# Altium PCB Zotino.PCBDOC (part 7 of 8)
Units mil, origin at the board's own origin, x right, y up, seen from the top; angles counter-clockwise.
Board outline 6303.18 x 3940.98 mil, 4 copper layers (TopLayer, Internal Plane 2, Signal Layer 1, BottomLayer), stack 61.54 mil thick; 716 components, 353 nets, 2092 pads, 748 vias.
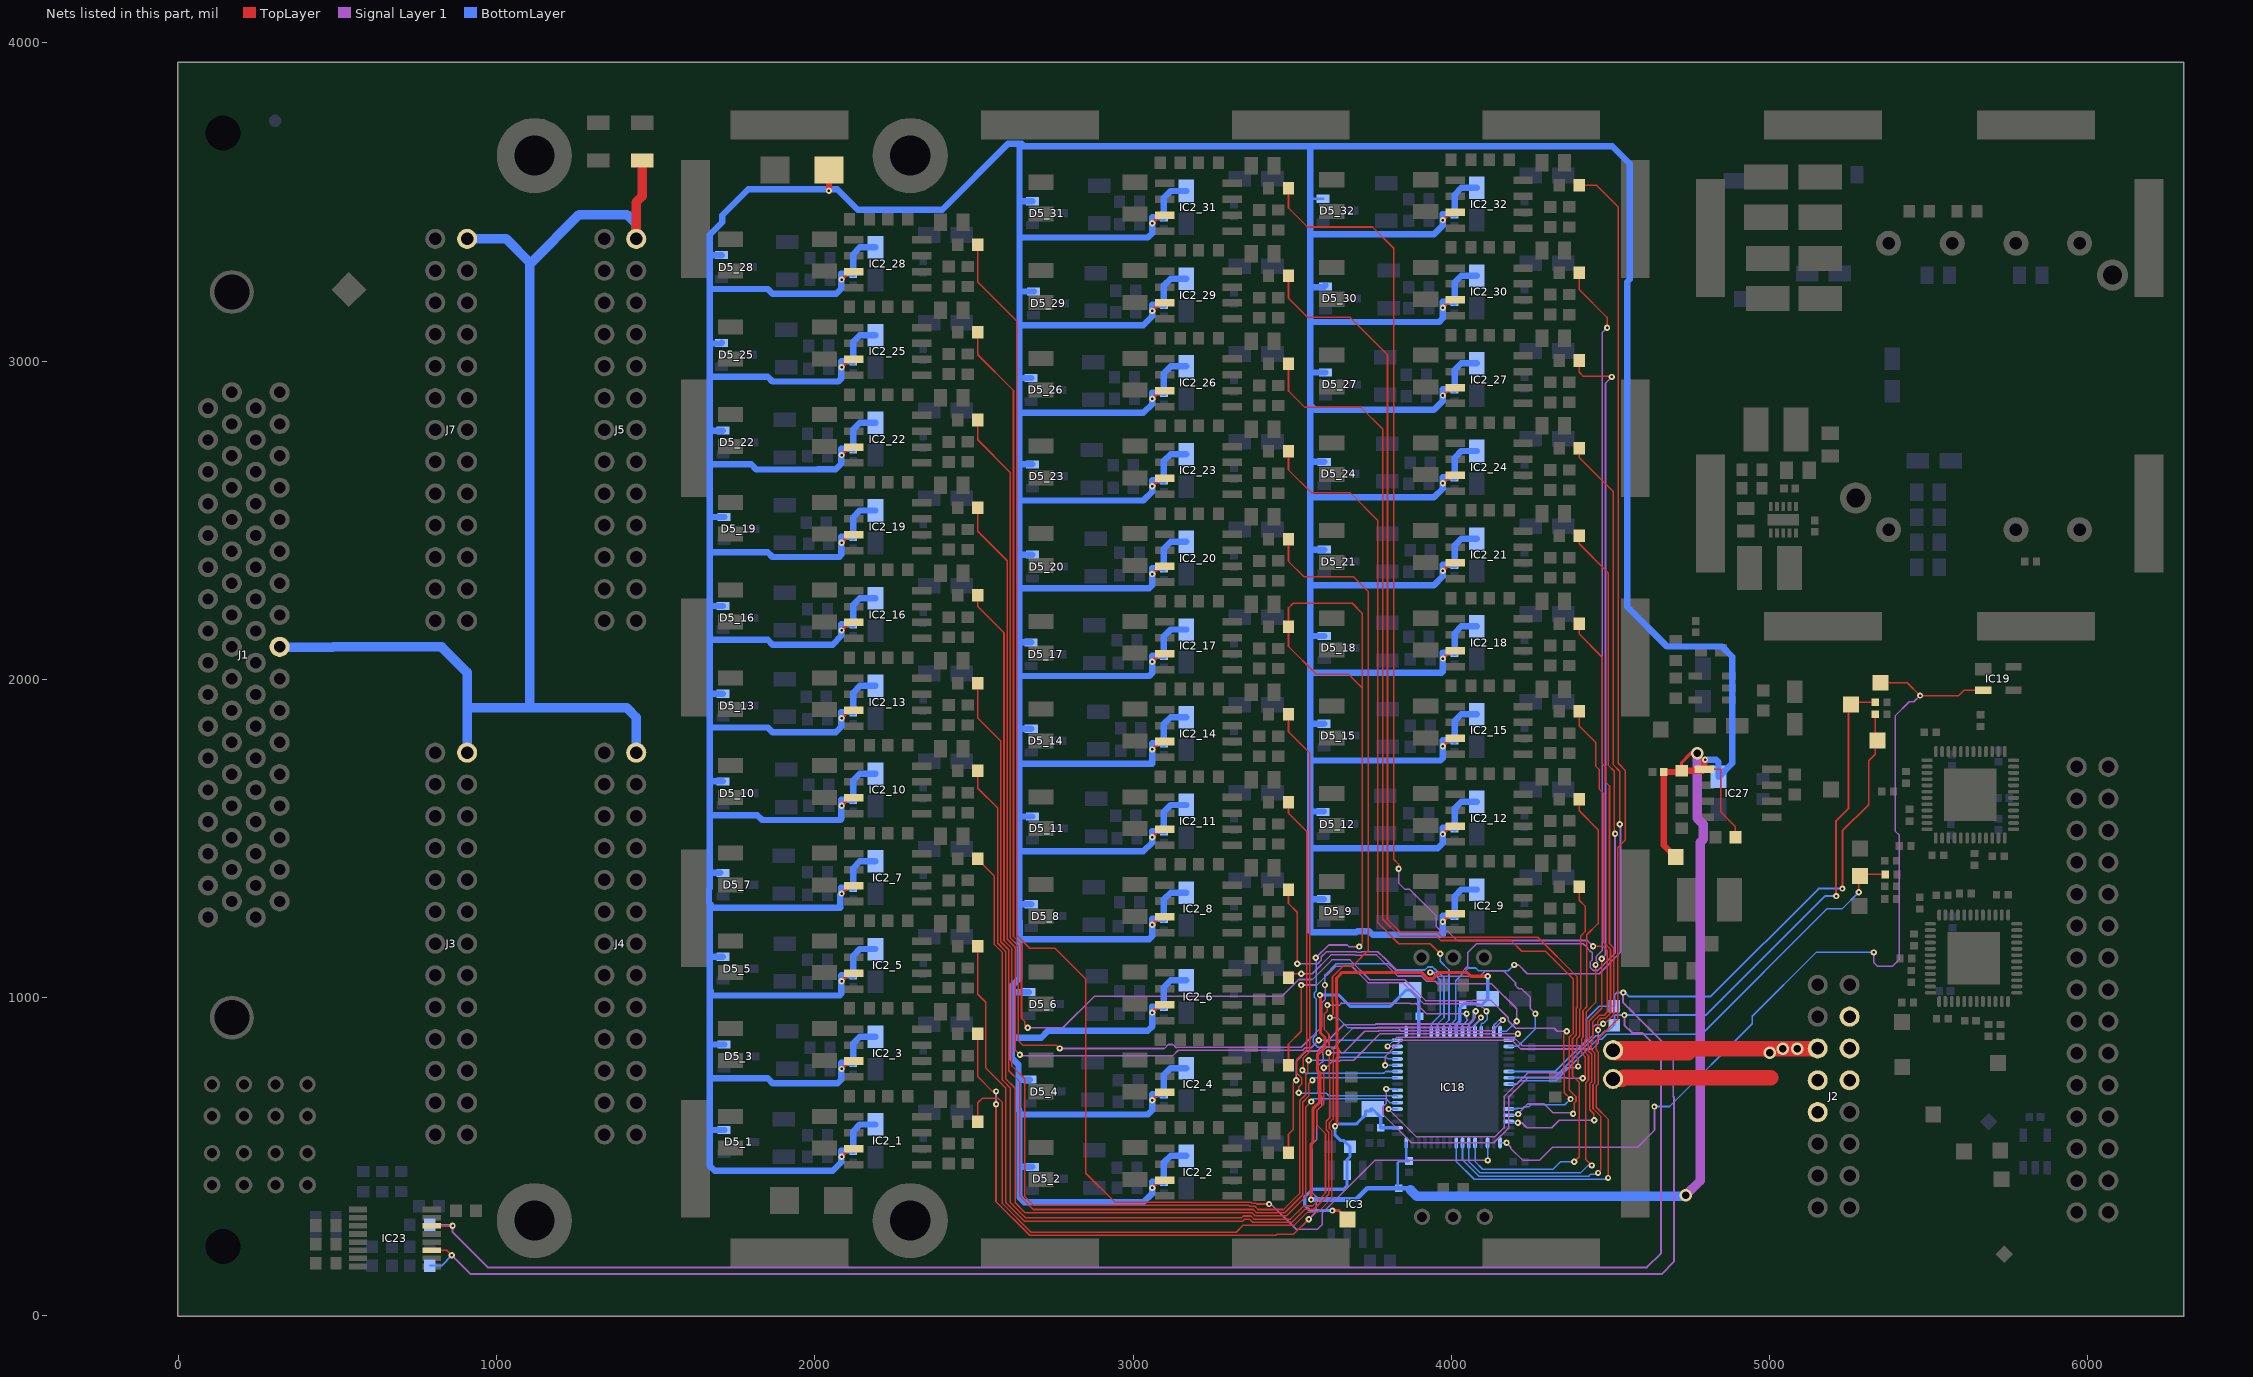
[diagram p9: the nets of this part, all layers, seen from the top]

## Via types
v1: diameter 19.68, hole 7.87, TopLayer to BottomLayer, tented both sides, 647 vias
v2: diameter 23.62, hole 11.81, TopLayer to BottomLayer, tented both sides, 70 vias
v3: diameter 39.37, hole 23.62, TopLayer to BottomLayer, tented both sides, 23 vias
v4: diameter 39.37, hole 19.68, TopLayer to BottomLayer, tented both sides, 8 vias

## Nets (pads, with @x,y where several pads share a name; then routed paths per layer and width w, separated by ;. In a path a pad name is that pad's centre, name@x,y a point inside that pad or via, vN(x,y) a via of type N, cw(c..) or ccw(c..) an arc to the next point about the centre after c; other vN are vias at no path point) (continued)
P12V0A: C4.2 C31.2 C33.2 C47.1 C64.2 C90_1.1 C90_2.1 C90_3.1 C90_4.1 C90_5.1 C90_6.1 C90_7.1 C90_8.1 C90_9.1 C90_10.1 C90_11.1 C90_12.1 C90_13.1 C90_14.1 C90_15.1 C90_16.1 C90_17.1 C90_18.1 C90_19.1 C90_20.1 C90_21.1 C90_22.1 C90_23.1 C90_24.1 C90_25.1 C90_26.1 C90_27.1 C90_28.1 C90_29.1 C90_30.1 C90_31.1 C90_32.1 C91_1.2 C91_2.2 C91_3.2 C91_4.2 C91_5.2 C91_6.2 C91_7.2 C91_8.2 C91_9.2 C91_10.2 C91_11.2 C91_12.2 C91_13.2 C91_14.2 C91_15.2 C91_16.2 C91_17.2 C91_18.2 C91_19.2 C91_20.2 C91_21.2 C91_22.2 C91_23.2 C91_24.2 C91_25.2 C91_26.2 C91_27.2 C91_28.2 C91_29.2 C91_30.2 C91_31.2 C91_32.2 C124.1 D5_1.2 D5_2.2 D5_3.2 D5_4.2 D5_5.2 D5_6.2 D5_7.2 D5_8.2 D5_9.2 D5_10.2 D5_11.2 D5_12.2 D5_13.2 D5_14.2 D5_15.2 D5_16.2 D5_17.2 D5_18.2 D5_19.2 D5_20.2 D5_21.2 D5_22.2 D5_23.2 D5_24.2 D5_25.2 D5_26.2 D5_27.2 D5_28.2 D5_29.2 D5_30.2 D5_31.2 D5_32.2 D10.1 IC2_1.7 IC2_2.7 IC2_3.7 IC2_4.7 IC2_5.7 IC2_6.7 IC2_7.7 IC2_8.7 IC2_9.7 IC2_10.7 IC2_11.7 IC2_12.7 IC2_13.7 IC2_14.7 IC2_15.7 IC2_16.7 IC2_17.7 IC2_18.7 IC2_19.7 IC2_20.7 IC2_21.7 IC2_22.7 IC2_23.7 IC2_24.7 IC2_25.7 IC2_26.7 IC2_27.7 IC2_28.7 IC2_29.7 IC2_30.7 IC2_31.7 IC2_32.7 IC18.16 IC18.35 IC27.1 R3.1 R150.2 TP8.1 | length 42742.8
  TopLayer w5: IC27.1@4796.71,1716.78 4846.71,1716.78 4846.71,1581.78 4892.23,1536.27 C64.2@4892.23,1504.18
  TopLayer w10: v1(2083.56,500) 2103.56,520 2117.31,520 IC2_1.7@2122.31,525 ; v1(2083.56,775.59) 2103.56,795.59 2117.31,795.59 IC2_3.7@2122.31,800.59 ; v1(2083.56,1051.18) 2103.56,1071.18 2117.31,1071.18 IC2_5.7@2122.31,1076.18 ; v1(2083.56,1326.77) 2103.56,1346.77 2117.31,1346.77 IC2_7.7@2122.31,1351.77 ; v1(2083.56,1602.36) 2103.56,1622.36 2117.31,1622.36 IC2_10.7@2122.31,1627.36 ; v1(2083.56,1877.95) 2103.56,1897.95 2117.31,1897.95 IC2_13.7@2122.31,1902.95 ; v1(2083.56,2153.54) 2103.56,2173.54 2117.31,2173.54 IC2_16.7@2122.31,2178.54 ; v1(2083.56,2429.13) 2103.56,2449.13 2117.31,2449.13 IC2_19.7@2122.31,2454.13 ; v1(2083.56,2704.72) 2103.56,2724.72 2117.31,2724.72 IC2_22.7@2122.31,2729.72 ; v1(2083.56,2980.32) 2103.56,3000.32 2117.31,3000.32 IC2_25.7@2122.31,3005.32 ; v1(2083.56,3255.91) 2103.56,3275.91 2117.31,3275.91 IC2_28.7@2122.31,3280.91 ; v1(3059.94,401.57) 3079.94,421.57 3093.68,421.57 IC2_2.7@3098.68,426.57 ; v1(3059.94,677.17) 3079.94,697.17 3093.68,697.17 IC2_4.7@3098.68,702.17 ; v1(3059.94,952.76) 3079.94,972.76 3093.68,972.76 IC2_6.7@3098.68,977.76 ; v1(3059.94,1228.35) 3079.94,1248.35 3093.68,1248.35 IC2_8.7@3098.68,1253.35 ; v1(3059.94,1503.94) 3079.94,1523.94 3093.68,1523.94 IC2_11.7@3098.68,1528.94 ; v1(3059.94,1779.53) 3079.94,1799.53 3093.68,1799.53 IC2_14.7@3098.68,1804.53 ; v1(3059.94,2055.12) 3079.94,2075.12 3093.68,2075.12 IC2_17.7@3098.68,2080.12 ; v1(3059.94,2330.71) 3079.94,2350.71 3093.68,2350.71 IC2_20.7@3098.68,2355.71 ; v1(3059.94,2606.3) 3079.94,2626.3 3093.68,2626.3 IC2_23.7@3098.68,2631.3 ; v1(3059.94,2881.89) 3079.94,2901.89 3093.68,2901.89 IC2_26.7@3098.68,2906.89 ; v1(3059.94,3157.48) 3079.94,3177.48 3093.68,3177.48 IC2_29.7@3098.68,3182.48 ; v1(3059.94,3433.07) 3079.94,3453.07 3093.68,3453.07 IC2_31.7@3098.68,3458.07 ; v1(3558.9,365.28) 3558.9,539.72 3564.64,545.46 3564.64,650.15 3585.92,671.43 3585.92,763.96 3578.58,771.31 3578.58,820.14 3602.51,844.08 3602.51,874.36 3588.27,888.6 v1@3588.27,1003.78 ; v1(3973.33,1238.19) 3993.33,1258.19 4007.07,1258.19 IC2_9.7@4012.07,1263.19 ; v1(3973.33,1513.78) 3993.33,1533.78 4007.07,1533.78 IC2_12.7@4012.07,1538.78 ; v1(3973.33,1789.37) 3993.33,1809.37 4007.07,1809.37 IC2_15.7@4012.07,1814.37 ; v1(3973.33,2064.96) 3993.33,2084.96 4007.07,2084.96 IC2_18.7@4012.07,2089.96 ; v1(3973.33,2340.55) 3993.33,2360.55 4007.07,2360.55 IC2_21.7@4012.07,2365.55 ; v1(3973.33,2616.14) 3993.33,2636.14 4007.07,2636.14 IC2_24.7@4012.07,2641.14 ; v1(3973.33,2891.73) 3993.33,2911.73 4007.07,2911.73 IC2_27.7@4012.07,2916.73 ; v1(3973.33,3167.32) 3993.33,3187.32 4007.07,3187.32 IC2_30.7@4012.07,3192.32 ; v1(3973.33,3442.91) 3993.33,3462.91 4007.07,3462.91 IC2_32.7@4012.07,3467.91 ; R150.2@4722.93,1712.84 4722.93,1738.68 4751.97,1767.72 v3(4771.65,1767.72)
  TopLayer w20: v1(2043.8,3534.72) D10.1@2043.8,3600.64 ; TP8.1@4704.72,1440.94 4667.32,1478.35 C33.2@4667.32,1708.66 4718.75,1708.66 R150.2@4722.93,1712.84 4789.67,1712.84 IC27.1@4793.8,1716.98 4793.8,1743.87 v1(4796.71,1746.78)
  Signal Layer 1 w30: v3@4736.22,375.98 v3(4736.22,378.94) 4781.56,424.27 4781.56,1487.2 4791.56,1497.2 4791.56,1544.14 4771.65,1564.04 v3(4771.65,1767.72)
  BottomLayer w7.87: 3556.17,3507.87 3558.14,3509.84 D5_32.2@3596.46,3509.84 ; R3.1@3830.71,404.33 3830.71,480.31 3836.61,486.22 C31.2@3866.14,486.22 3857.57,494.79 IC18.16@3857.57,543.31
  BottomLayer w10: v1(3586.61,1007.87) 3645.67,1007.87 3681.1,972.44 3807.09,972.44 3858.27,1023.62 C47.1@3870.08,1023.62 3896.94,996.76 IC18.35@3896.94,893.7
  BottomLayer w15: v1(3558.9,365.28) 3699.93,365.28 3735.04,400.39 R3.1@3834.65,400.39 3866.14,400.39 3871.18,395.35
  BottomLayer w20: 1671.75,2509.84 D5_19.2@1714.57,2509.84 ; D5_7.2@1702.76,1391.54 1671.95,1391.54 1669.78,1393.7 ; D5_25.2@1706.69,3057.09 1704.72,3055.12 1669.78,3055.12 ; D5_28.2@1706.69,3332.68 1671.75,3332.68 1669.78,3334.65 ; D5_5.2@1710.63,1127.95 1671.75,1127.95 1669.78,1129.92 ; D5_10.2@1710.63,1679.13 1671.75,1679.13 1669.78,1677.17 ; D5_13.2@1710.63,1954.72 1671.75,1954.72 1669.78,1952.76 ; D5_16.2@1710.63,2230.32 1671.75,2230.32 1669.78,2228.35 ; D5_22.2@1710.63,2781.5 1671.75,2781.5 1669.78,2779.53 ; D5_1.2@1714.57,583.91 1672.49,583.91 1669.78,586.61 ; D5_3.2@1714.57,852.36 1671.75,852.36 1669.78,854.33 ; C91_1.2@2120,517.72 C91_1.2@2120,519.18 ; C91_3.2@2120,793.31 C91_3.2@2120,794.77 ; C91_5.2@2120,1068.9 C91_5.2@2120,1070.36 ; C91_7.2@2120,1344.49 C91_7.2@2120,1345.95 ; C91_10.2@2120,1620.08 C91_10.2@2120,1621.54 ; C91_13.2@2120,1895.67 C91_13.2@2120,1897.13 ; C91_16.2@2120,2171.26 C91_16.2@2120,2172.73 ; C91_19.2@2120,2446.85 C91_19.2@2120,2448.32 ; C91_22.2@2120,2722.44 C91_22.2@2120,2723.91 ; C91_25.2@2120,2998.03 C91_25.2@2120,2999.5 ; C91_28.2@2120,3273.62 C91_28.2@2120,3275.09 ; C90_1.1@2190,601.18 2141.18,601.18 2120,580 C91_1.2@2120,519.18 ; C90_3.1@2190,876.77 2141.18,876.77 2120,855.59 C91_3.2@2120,794.77 ; C90_5.1@2190,1152.36 2141.18,1152.36 2120,1131.18 C91_5.2@2120,1070.36 ; C90_7.1@2190,1427.95 2141.18,1427.95 2120,1406.77 C91_7.2@2120,1345.95 ; C90_10.1@2190,1703.54 2141.18,1703.54 2120,1682.36 C91_10.2@2120,1621.54 ; C90_13.1@2190,1979.13 2141.18,1979.13 2120,1957.95 C91_13.2@2120,1897.13 ; C90_16.1@2190,2254.72 2141.18,2254.72 2120,2233.54 C91_16.2@2120,2172.73 ; C90_19.1@2190,2530.32 2141.18,2530.31 2120,2509.13 C91_19.2@2120,2448.32 ; C90_22.1@2190,2805.91 2141.18,2805.9 2120,2784.73 C91_22.2@2120,2723.91 ; C90_25.1@2190,3081.5 2141.18,3081.5 2120,3060.32 C91_25.2@2120,2999.5 ; C90_28.1@2190,3357.09 2141.18,3357.09 2120,3335.91 C91_28.2@2120,3275.09 ; 2644.75,1568.9 D5_11.2@2683.07,1568.9 ; 2648.9,1183.66 3049.8,1183.66 3059.29,1193.15 3059.29,1247.53 C91_8.2@3096.38,1247.53 ; D5_6.2@2671.88,1016.96 2620.05,1016.96 2618.84,1015.75 ; D5_4.2@2675.2,742.13 2641.5,742.13 2639.53,744.09 ; D5_17.2@2679.13,2116.14 2644.75,2116.14 2642.78,2118.11 ; D5_26.2@2679.13,2946.85 2644.75,2946.85 2642.78,2948.82 ; D5_8.2@2679.33,1293.31 2644.75,1293.31 2642.78,1291.34 ; D5_14.2@2679.33,1844.49 2644.75,1844.49 2642.78,1846.46 ; D5_2.2@2683.07,467.75 2645.97,467.75 2642.78,464.57 ; D5_20.2@2683.07,2391.73 2644.75,2391.73 2642.78,2393.7 ; D5_23.2@2683.07,2675.2 2643.53,2675.2 2642.78,2675.94 ; D5_31.2@2683.27,3501.97 2643.53,3501.97 2642.78,3502.72 ; D5_29.2@2687.01,3218.5 2644.75,3218.5 2642.78,3220.47 ; C91_2.2@3096.38,419.29 C91_2.2@3096.38,420.76 ; C91_4.2@3096.38,694.88 C91_4.2@3096.38,696.35 ; C91_6.2@3096.38,970.47 C91_6.2@3096.38,971.94 ; C91_8.2@3096.38,1246.06 C91_8.2@3096.38,1247.53 ; C91_11.2@3096.38,1521.65 C91_11.2@3096.38,1523.12 ; C91_14.2@3096.38,1797.24 C91_14.2@3096.38,1798.71 ; C91_17.2@3096.38,2072.83 C91_17.2@3096.38,2074.3 ; C91_20.2@3096.38,2348.43 C91_20.2@3096.38,2349.89 ; C91_23.2@3096.38,2624.01 C91_23.2@3096.38,2625.48 ; C91_26.2@3096.38,2899.61 C91_26.2@3096.38,2901.07 ; C91_29.2@3096.38,3175.2 C91_29.2@3096.38,3176.66 ; C91_31.2@3096.38,3450.79 C91_31.2@3096.38,3452.25 ; C90_2.1@3166.38,502.76 3117.56,502.76 3096.38,481.58 C91_2.2@3096.38,420.76 ; C90_4.1@3166.38,778.35 3117.56,778.35 3096.38,757.17 C91_4.2@3096.38,696.35 ; C90_6.1@3166.38,1053.94 3117.56,1053.94 3096.38,1032.76 C91_6.2@3096.38,971.94 ; C90_8.1@3166.38,1329.53 3117.56,1329.53 3096.38,1308.35 C91_8.2@3096.38,1247.53 ; C90_11.1@3166.38,1605.12 3117.56,1605.12 3096.38,1583.94 C91_11.2@3096.38,1523.12 ; C90_14.1@3166.38,1880.71 3117.56,1880.71 3096.38,1859.53 C91_14.2@3096.38,1798.71 ; C90_17.1@3166.38,2156.3 3117.56,2156.3 3096.38,2135.12 C91_17.2@3096.38,2074.3 ; C90_20.1@3166.38,2431.89 3117.56,2431.89 3096.38,2410.71 C91_20.2@3096.38,2349.89 ; C90_23.1@3166.38,2707.48 3117.56,2707.48 3096.38,2686.3 C91_23.2@3096.38,2625.48 ; C90_26.1@3166.38,2983.07 3117.56,2983.07 3096.38,2961.89 C91_26.2@3096.38,2901.07 ; C90_29.1@3166.38,3258.66 3117.56,3258.66 3096.38,3237.48 C91_29.2@3096.38,3176.66 ; C90_31.1@3166.38,3534.25 3117.56,3534.25 3096.38,3513.07 C91_31.2@3096.38,3452.25 ; D5_9.2@3598.62,1309.06 3558.14,1309.06 3556.17,1307.09 ; D5_12.2@3598.62,1584.65 3558.14,1584.65 3556.17,1582.68 ; D5_15.2@3599.66,1860.24 3558.14,1860.24 3556.17,1862.2 ; D5_18.2@3600.39,2135.83 3558.14,2135.83 3556.17,2133.86 ; D5_21.2@3600.39,2407.48 3558.14,2407.48 3556.17,2409.45 ; D5_24.2@3600.39,2683.07 3558.14,2683.07 3556.17,2681.1 ; D5_27.2@3604.33,2964.01 3559.55,2964.01 3556.17,2960.63 ; D5_30.2@3604.33,3238.19 3598.43,3232.28 3564.04,3232.28 3556.17,3240.16 ; C91_9.2@4009.76,1255.91 C91_9.2@4009.76,1257.37 ; C91_12.2@4009.76,1531.5 C91_12.2@4009.76,1532.96 ; C91_15.2@4009.76,1807.09 C91_15.2@4009.76,1808.55 ; C91_18.2@4009.76,2082.68 C91_18.2@4009.76,2084.14 ; C91_21.2@4009.76,2358.27 C91_21.2@4009.76,2359.73 ; C91_24.2@4009.76,2633.86 C91_24.2@4009.76,2635.32 ; C91_27.2@4009.76,2909.45 C91_27.2@4009.76,2910.91 ; C91_30.2@4009.76,3185.04 C91_30.2@4009.76,3186.5 ; C91_32.2@4009.76,3460.63 C91_32.2@4009.76,3462.09 ; C90_9.1@4079.76,1339.37 4030.94,1339.37 4009.76,1318.19 C91_9.2@4009.76,1257.37 ; C90_12.1@4079.76,1614.96 4030.94,1614.96 4009.76,1593.78 C91_12.2@4009.76,1532.96 ; C90_15.1@4079.76,1890.55 4030.94,1890.55 4009.76,1869.37 C91_15.2@4009.76,1808.55 ; C90_18.1@4079.76,2166.14 4030.94,2166.14 4009.76,2144.96 C91_18.2@4009.76,2084.14 ; C90_21.1@4079.76,2441.73 4030.94,2441.73 4009.76,2420.55 C91_21.2@4009.76,2359.73 ; C90_24.1@4079.76,2717.32 4030.94,2717.32 4009.76,2696.14 C91_24.2@4009.76,2635.32 ; C90_27.1@4079.76,2992.91 4030.94,2992.91 4009.76,2971.73 C91_27.2@4009.76,2910.91 ; C90_30.1@4079.76,3268.5 4030.94,3268.5 4009.76,3247.32 C91_30.2@4009.76,3186.5 ; C90_32.1@4079.76,3544.09 4030.94,3544.09 4009.76,3522.91 C91_32.2@4009.76,3462.09 ; v1(4796.71,1746.78) 4831.71,1746.78 4839.07,1739.42 C124.1@4839.07,1693.16 4881.89,1735.97 4881.89,2070.87 4849.92,2102.83 4677.17,2102.83 4551.93,2228.07 4551.93,3248.48 4560,3256.55 4560,3620 4504.72,3675.28 3556.17,3675.28 ; 1669.78,586.61 1669.78,746.09 ; 1669.78,586.61 1669.78,470.5 1684.97,455.31 2055.43,455.31 2082.91,482.8 2082.91,519.18 C91_1.2@2120,519.18 ; 1669.78,746.09 1669.78,854.33 ; 1669.78,746.09 1851.16,746.09 1866.35,730.91 2071.71,730.91 2082.91,742.11 2082.91,794.77 C91_3.2@2120,794.77 ; 1669.78,854.33 1669.78,1021.68 ; 1669.78,1021.68 1669.78,1129.92 ; 1669.78,1021.68 1672.34,1021.68 1672.34,1006.5 2077.36,1006.5 2082.91,1012.05 2082.91,1070.36 C91_5.2@2120,1070.36 ; 1669.78,1129.92 1669.78,1295.03 ; 1669.78,1295.03 1672.34,1292.47 1672.34,1282.09 2079.59,1282.09 2079.59,1323.45 2082.91,1326.77 2082.91,1345.95 C91_7.2@2120,1345.95 ; 1669.78,1295.03 1667.09,1297.73 1667.09,1341 1669.78,1343.7 1669.78,1393.7 ; 1669.78,1393.7 1669.78,1572.86 ; 1669.78,1572.86 1818.9,1572.86 1834.08,1557.68 2079.59,1557.68 2082.91,1561 2082.91,1621.54 C91_10.2@2120,1621.54 ; 1669.78,1572.86 1669.78,1677.17 ; 1669.78,1677.17 1669.78,1848.45 ; 1669.78,1848.45 1669.78,1952.76 ; 1669.78,1848.45 1851.16,1848.45 1866.35,1833.27 2065.55,1833.27 2082.91,1850.63 2082.91,1897.13 C91_13.2@2120,1897.13 ; 1669.78,1952.76 1669.78,2124.04 ; 1669.78,2124.04 1669.78,2228.35 ; 1669.78,2124.04 1851.16,2124.04 1866.35,2108.86 2055.43,2108.86 2082.91,2136.35 2082.91,2172.73 C91_16.2@2120,2172.73 ; 1669.78,2228.35 1669.78,2399.63 ; 1669.78,2399.63 1669.78,2675.23 ; 1669.78,2399.63 1851.16,2399.63 1866.35,2384.45 2075.65,2384.45 2082.91,2391.71 2082.91,2448.32 C91_19.2@2120,2448.32 ; 1669.78,2675.23 1799.21,2675.23 1815.23,2659.21 2007.05,2659.21 2007.87,2660.04 2065.55,2660.04 2082.91,2677.4 2082.91,2723.91 C91_22.2@2120,2723.91 ; 1669.78,2675.23 1669.78,2779.53 ; 1669.78,2779.53 1669.78,2950.82 ; 1669.78,2950.82 1669.78,3055.12 ; 1669.78,2950.82 1851.16,2950.82 1866.35,2935.63 2073.43,2935.63 2082.91,2945.12 2082.91,2999.5 C91_25.2@2120,2999.5 ; 1669.78,3055.12 1669.78,3226.41 ; 1669.78,3226.41 1669.78,3334.65 ; 1669.78,3226.41 1851.16,3226.41 1866.35,3211.22 2066.54,3211.22 2082.91,3227.59 2082.91,3275.09 C91_28.2@2120,3275.09 ; 1669.78,3334.65 1669.78,3397.13 1708.48,3435.82 1708.48,3458.48 1790,3540 2070,3540 2134.57,3475.43 2399.38,3475.43 2606.45,3682.5 2650,3682.5 2642.78,3675.28 ; 2618.84,885.1 2618.84,1015.75 ; 2618.84,885.1 2618.84,830.34 2619,830.18 2619,809.6 2639.53,789.07 2639.53,744.09 ; 2618.84,885.1 2629.92,874.02 2710.6,874.02 2732.28,895.7 3045.93,895.7 3059.29,909.06 3059.29,971.94 C91_6.2@3096.38,971.94 ; 2618.84,1015.75 2618.84,1037.11 2642.78,1061.05 2642.78,1198.85 2644.31,1198.85 2643.66,1199.5 2643.66,1239.28 2642.78,1240.16 2642.78,1291.34 ; 2639.53,744.09 2639.53,648.31 2642.78,645.06 2642.78,629.92 ; 2642.78,464.57 2642.78,629.92 ; 2642.78,464.57 2642.78,372.08 2657.97,356.89 3031.8,356.89 3059.29,384.38 3059.29,420.76 C91_2.2@3096.38,420.76 ; 2642.78,629.92 2645.34,632.48 3045.87,632.48 3059.29,645.91 3059.29,696.35 C91_4.2@3096.38,696.35 ; 2642.78,1291.34 2642.78,1456.69 ; 2642.78,1456.69 2642.78,1738.19 ; 2642.78,1456.69 2645.34,1459.25 3031.8,1459.25 3059.29,1486.74 3059.29,1523.12 C91_11.2@3096.38,1523.12 ; 2642.78,1738.19 2642.78,1846.46 ; 2642.78,1738.19 2646.13,1734.84 3059.29,1734.84 3059.29,1798.71 C91_14.2@3096.38,1798.71 ; 2642.78,1846.46 2642.78,2012.99 ; 2642.78,2012.99 2642.78,2118.11 ; 2642.78,2012.99 2645.34,2010.43 3049.8,2010.43 3059.29,2019.92 3059.29,2074.3 C91_17.2@3096.38,2074.3 ; 2642.78,2118.11 2642.78,2283.46 ; 2642.78,2283.46 2642.78,2393.7 ; 2642.78,2283.46 2645.34,2286.02 3049.8,2286.02 3059.29,2295.51 3059.29,2349.89 C91_20.2@3096.38,2349.89 ; 2642.78,2393.7 2642.78,2562.99 ; 2642.78,2562.99 2642.78,2675.94 ; 2642.78,2562.99 2644.16,2561.61 3031.8,2561.61 3059.29,2589.1 3059.29,2625.48 C91_23.2@3096.38,2625.48 ; 2642.78,2675.94 2642.78,2834.65 ; 2642.78,2834.65 2642.78,2948.82 ; 2642.78,2834.65 2645.34,2837.2 3031.8,2837.2 3059.29,2864.69 3059.29,2901.07 C91_26.2@3096.38,2901.07 ; 2642.78,2948.82 2642.78,3110.24 ; 2642.78,3110.24 2642.78,3220.47 ; 2642.78,3110.24 2645.34,3112.8 3031.8,3112.8 3059.29,3140.28 3059.29,3176.66 C91_29.2@3096.38,3176.66 ; 2642.78,3220.47 2642.78,3385.83 ; 2642.78,3385.83 2642.78,3502.72 ; 2642.78,3385.83 2645.34,3388.39 3045.87,3388.39 3059.29,3401.81 3059.29,3452.25 C91_31.2@3096.38,3452.25 ; 2642.78,3502.72 2642.78,3675.28 ; 2642.78,3675.28 3556.17,3675.28 ; 3556.17,1307.09 3556.17,1468.5 ; 3556.17,1307.09 3556.17,1208.69 3560.02,1204.84 3700.88,1204.84 3704.72,1208.69 3740.92,1208.69 3752.53,1197.09 3972.68,1197.09 3972.68,1257.37 C91_9.2@4009.76,1257.37 ; 3556.17,1468.5 3556.17,1582.68 ; 3556.17,1468.5 3556.76,1469.09 3957.11,1469.09 3972.68,1484.66 3972.68,1532.96 C91_12.2@4009.76,1532.96 ; 3556.17,1582.68 3556.17,1740.16 ; 3556.17,1740.16 3556.17,1862.2 ; 3556.17,1740.16 3560.7,1744.68 3965.16,1744.68 3972.68,1752.21 3972.68,1808.55 C91_15.2@4009.76,1808.55 ; 3556.17,1862.2 3556.17,2019.69 ; 3556.17,2019.69 3556.17,2133.86 ; 3556.17,2019.69 3556.76,2020.28 3969.09,2020.28 3972.68,2023.86 3972.68,2084.14 C91_18.2@4009.76,2084.14 ; 3556.17,2133.86 3556.17,2295.28 ; 3556.17,2295.28 3556.17,2409.45 ; 3556.17,2295.28 3556.76,2295.87 3945.19,2295.87 3972.68,2323.35 3972.68,2359.73 C91_21.2@4009.76,2359.73 ; 3556.17,2409.45 3556.17,2566.93 ; 3556.17,2566.93 3556.17,2681.1 ; 3556.17,2566.93 3560.7,2571.46 3945.19,2571.46 3972.68,2598.94 3972.68,2635.32 C91_24.2@4009.76,2635.32 ; 3556.17,2681.1 3556.17,2862.23 ; 3556.17,2862.23 3556.17,2960.63 ; 3556.17,2862.23 3571.36,2847.05 3945.19,2847.05 3972.68,2874.54 3972.68,2910.91 C91_27.2@4009.76,2910.91 ; 3556.17,2960.63 3556.17,3118.11 ; 3556.17,3118.11 3556.17,3240.16 ; 3556.17,3118.11 3560.7,3122.64 3961.05,3122.64 3972.68,3134.27 3972.68,3186.5 C91_30.2@4009.76,3186.5 ; 3556.17,3240.16 3556.17,3397.64 ; 3556.17,3397.64 3556.17,3507.87 3556.17,3675.28 ; 3556.17,3397.64 3556.76,3398.23 3945.19,3398.23 3972.68,3425.72 3972.68,3462.09 C91_32.2@4009.76,3462.09
  BottomLayer w30: 3871.18,395.35 3890.55,375.98 v3@4736.22,375.98
P13V0_SCSI: F1.1 J1.18 J3.25 J4.25 J5.25 J7.25 | length 3868.2
  TopLayer w30: J5.25@1438.29,3383.71 1438.28,3499.33 1457.19,3518.24 F1.1@1457.19,3630.17
  BottomLayer w30: J1.18@317.72,2102.02 319.53,2100.2 485.28,2100.2 487.09,2102.02 826.71,2102.02 906.79,2021.94 906.79,1909.89 ; J3.25@906.79,1769.53 906.79,1909.89 ; J7.25@906.79,3383.71 1030.02,3383.71 1103.84,3309.89 ; J4.25@1438.29,1769.53 1438.28,1880.44 1408.84,1909.89 1103.84,1909.89 ; J5.25@1438.29,3383.71 1438.28,3430.44 1408.84,3459.89 1258.84,3459.89 1108.84,3309.89 1103.84,3309.89 ; 906.79,1909.89 1103.84,1909.89 ; 1103.84,1909.89 1103.84,3309.89
REF: C9.2 C12.1 C78.2 C79.1 C81.2 IC3.6 IC18.18 IC18.41 TP5.1 | length 2038.6
  TopLayer w10: v1(3625.98,330.71) 3645.67,330.71 TP5.1@3673.23,303.15 ; v1(3634.04,595.5) 3635.39,595.5 3640.35,600.47 3640.35,811.65 3643.11,814.41 3643.11,839.13 3640.35,841.89 3640.35,976.97 3640.07,977.26 3640.07,988.74 3638.54,990.27 3638.54,1060.31 3657.13,1078.9 3904.84,1078.9 3924.84,1058.9 3941.28,1058.9 3961.28,1078.9 4048.9,1078.9 4060.87,1066.93 v1(4114.17,1066.93)
  BottomLayer w10: v1(3625.98,330.71) 3555.12,330.71 3539.06,346.77 3539.06,373.5 3563.19,397.64 3661.42,397.64 3671.85,408.07 IC3.6@3671.85,456.69 3671.85,490.75 3681.1,500 C81.2@3681.1,531.5 3662.09,550.51 3651.62,550.51 3633.69,568.44 3633.69,595.16 v1(3634.04,595.5) 3640.9,602.36 3700.28,602.36 3708.32,610.39 3708.82,610.39 3730.31,631.89 3730.31,643.7 C79.1@3746.06,643.7 ; C79.1@3746.06,649.61 C79.1@3751.97,649.61 3777.56,624.02 C78.2@3777.56,590.55 IC18.18@3830.02,590.55 ; IC18.41@4015.06,893.7 4015.06,914.7 4025.91,925.55 4025.91,966.85 C9.2@4035.43,976.38 4039.53,980.47 4077.12,980.47 4081.21,976.38 4094.49,976.38 C12.1@4114.17,996.06 v1(4114.17,1066.93)
RESETn: IC18.1 IC19.2 TP16.1 | length 2874.8
  TopLayer w5: TP16.1@5348.43,1989.17 5432.09,1989.17 v1(5472.44,1948.82) 5593.67,1948.82 5609.83,1964.98 IC19.2@5671.27,1964.98
  Signal Layer 1 w5: v1(4173.23,543.31) 4186.63,529.9 4186.63,525.96 4224.41,488.19 4275.59,488.19 4317.3,529.9 4585.02,529.9 4637.8,582.68 v1(4637.8,657.48) ; v1(5326.76,1141.73) 5326.76,1110.25 5338.58,1098.43 5385.83,1098.43 5406.96,1119.56 5406.96,1510.36 5393.84,1523.48 5393.84,1884.89 5438.08,1929.13 5452.76,1929.13 v1(5472.44,1948.82)
  BottomLayer w5: IC18.1@4152.85,543.31 v1(4173.23,543.31) ; v1(4637.8,657.48) 4685.04,657.48 4944.88,917.32 4944.88,940.94 5145.67,1141.73 v1(5326.76,1141.73)
SCKI: IC18.54 IC23.11 R11.1 R82.2 R117.2 TP1.1 | length 6897.3
  TopLayer w6: IC23.11@795.77,205.95 842.77,205.95 v1(858.84,189.89) ; v1(5228.35,1342.52) 5228.35,1523.62 5311.02,1606.3 5311.02,1744.09 5331.64,1764.71 5331.64,1800.15 TP1.1@5338.58,1807.09 5331.64,1814.03 R11.1@5331.64,1889.89
  Signal Layer 1 w6: v1(858.84,189.89) 917.73,131 4659.95,131 4698.84,169.89 4698.84,686.99 4696.85,688.98 4696.85,826.77 4539.37,984.25 v1(4539.37,1015.75)
  BottomLayer w6: R82.2@789.37,157.48 826.43,157.48 v1(858.84,189.89) ; IC18.54@4180.41,767.72 4326.31,767.72 4424.88,866.29 4424.88,932.76 4464.69,972.57 R117.2@4511.81,972.57 4511.81,1007.87 4519.68,1015.75 v1(4539.37,1015.75) 4546.21,1015.75 4559.18,1002.78 4813.8,1002.78 5153.54,1342.52 v1(5228.35,1342.52)
SDI: IC18.55 IC23.14 R13.1 R58.2 R116.2 TP2.1 | length 6815.8
  TopLayer w6: IC23.14@795.77,282.73 v1(861,282.73) ; v1(5208.66,1318.9) 5208.66,1555.12 5248.03,1594.49 5248.03,1913.39 TP2.1@5255.91,1921.26 5262.53,1927.89 R13.1@5331.64,1927.89
  Signal Layer 1 w6: v1(861,282.73) 861,262.73 971.73,152 4613.84,152 4658.84,197 4658.84,829.35 4599.34,888.85 4567.84,888.85 4543.31,913.39 v1(4543.31,944.88)